# KiCad board panel.kicad_pcb (continued)
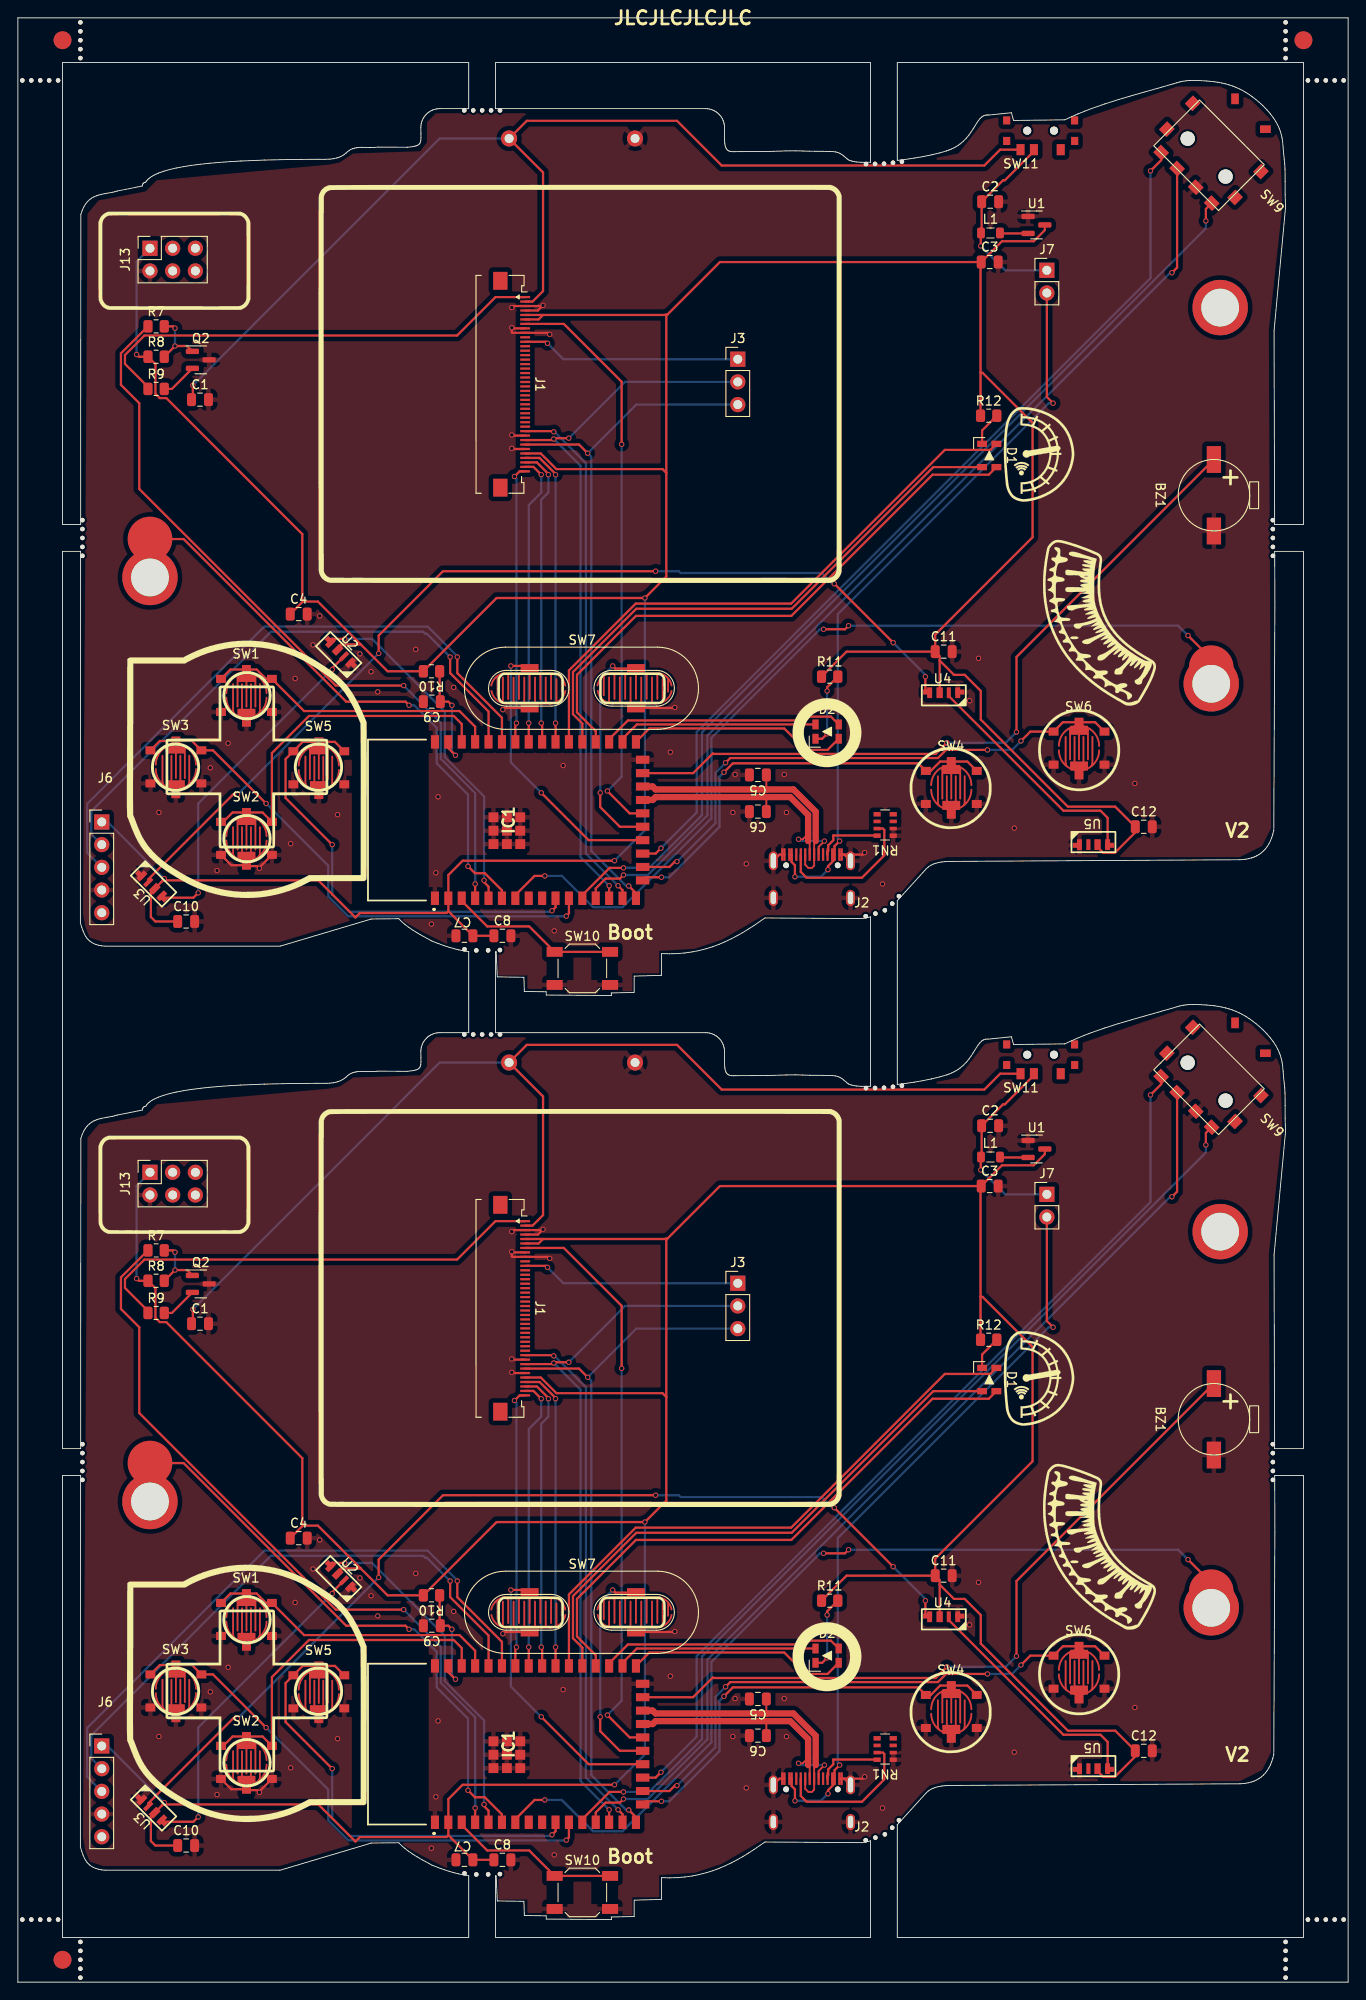
[diagram p0: board, top side]
## Nets
Board_0-+5V: J2.A4 J2.A9 J2.B4 J2.B9 J7.2
Board_0-/D+: C6.1 IC1#2.23 J2.A6 J2.B6
Board_0-/D-: C5.1 IC1#2.24 J2.A7 J2.B7
Board_0-/SK6812: IC1#2.5 U2.1
Board_0-A: BT1#2.1 C1#2.1 J1#2.2 SW11.1
Board_0-A_Btn: IC1#2.17 SW4#2.1
Board_0-B: IC1#2.18 SW6.1
Board_0-B1: D2#2.4 IC1#2.27
Board_0-B2: D1.4 IC1#2.31
Board_0-BL: IC1#2.4 R7#2.1
Board_0-Boot: IC1#2.3 SW10.1
Board_0-Buzzer: BZ1#2.1 IC1#2.25
Board_0-DE: J1#2.11 J3.1
Board_0-Disp_RESET: IC1#2.22 J1#2.7
Board_0-Down: IC1#2.40 SW2.1
Board_0-EnButton: IC1#2.13 SW9.S
Board_0-EnDown: IC1#2.12 SW9.B
Board_0-EnUp: IC1#2.19 SW9.A
Board_0-G1: D2#2.2 IC1#2.29
Board_0-G2: D1.2 IC1#2.30
Board_0-K: J1#2.1 R9#2.1
Board_0-Left: IC1#2.11 SW3#2.1
Board_0-Net-(D1-A): D1.3 R12#2.2
Board_0-Net-(D2-A): D2#2.3 R11.2
Board_0-Net-(IC1-IO3): IC1#2.6 J4#2.1
Board_0-Net-(IC1-IO4): IC1#2.7 J5#2.1
Board_0-Net-(J2-CC1): J2.A5 RN1.7
Board_0-Net-(J2-CC2): J2.B5 RN1.8
Board_0-Net-(Q2-B): Q2.1 R7#2.2 R8.2
Board_0-Net-(Q2-C): Q2.2 R9#2.2
Board_0-Net-(U1-LX): L1.2 U1#2.2
Board_0-Net-(U2-Dout): U2.3 U3#2.1
Board_0-Net-(U3-Dout): U3#2.3 U4.1
Board_0-Net-(U4-Dout): U4.3 U5.1
Board_0-PwrTest: C2#2.1 J7.1 L1.1 SW11.2
Board_0-R1: D2#2.1 IC1#2.28
Board_0-R2: D1.1 IC1#2.32
Board_0-Reset: C9.1 IC1#2.41 R10#2.1
Board_0-Right: IC1#2.10 SW5.1
Board_0-RS: IC1#2.16 J1#2.34 J3.3
Board_0-RX: IC1#2.38 J6#2.2
Board_0-SDA: IC1#2.15 J1#2.31
Board_0-Select: IC1#2.21 SW7#2.3
Board_0-Start: IC1#2.20 SW7#2.1
Board_0-TX: IC1#2.37 J6#2.3
Board_0-unconnected-(IC1-IO5-Pad8): IC1#2.8
Board_0-unconnected-(IC1-IO6-Pad9): IC1#2.9
Board_0-unconnected-(J1-Pin_10-Pad10): J1#2.10
Board_0-unconnected-(J1-Pin_12-Pad12): J1#2.12
Board_0-unconnected-(J1-Pin_13-Pad13): J1#2.13
Board_0-unconnected-(J1-Pin_14-Pad14): J1#2.14
Board_0-unconnected-(J1-Pin_15-Pad15): J1#2.15
Board_0-unconnected-(J1-Pin_16-Pad16): J1#2.16
Board_0-unconnected-(J1-Pin_17-Pad17): J1#2.17
Board_0-unconnected-(J1-Pin_18-Pad18): J1#2.18
Board_0-unconnected-(J1-Pin_19-Pad19): J1#2.19
Board_0-unconnected-(J1-Pin_20-Pad20): J1#2.20
Board_0-unconnected-(J1-Pin_21-Pad21): J1#2.21
Board_0-unconnected-(J1-Pin_22-Pad22): J1#2.22
Board_0-unconnected-(J1-Pin_23-Pad23): J1#2.23
Board_0-unconnected-(J1-Pin_24-Pad24): J1#2.24
Board_0-unconnected-(J1-Pin_25-Pad25): J1#2.25
Board_0-unconnected-(J1-Pin_26-Pad26): J1#2.26
Board_0-unconnected-(J1-Pin_27-Pad27): J1#2.27
Board_0-unconnected-(J1-Pin_28-Pad28): J1#2.28
Board_0-unconnected-(J1-Pin_29-Pad29): J1#2.29
Board_0-unconnected-(J1-Pin_30-Pad30): J1#2.30
Board_0-unconnected-(J2-SBU1-PadA8): J2.A8
Board_0-unconnected-(J2-SBU2-PadB8): J2.B8
Board_0-unconnected-(J6-Pin_5-Pad5): J6#2.5
Board_0-unconnected-(J9-Pin_1-Pad1): J9#2.1
Board_0-unconnected-(J10-Pin_1-Pad1): J10#2.1
Board_0-unconnected-(J11-Pin_1-Pad1): J11.1
Board_0-unconnected-(J13-Pin_3-Pad3): J13.3
Board_0-unconnected-(J13-Pin_4-Pad4): J13.4
Board_0-unconnected-(J13-Pin_5-Pad5): J13.5
Board_0-unconnected-(J13-Pin_6-Pad6): J13.6
Board_0-unconnected-(RN1-R3.1-Pad3): RN1.3
Board_0-unconnected-(RN1-R3.2-Pad6): RN1.6
Board_0-unconnected-(RN1-R4.1-Pad4): RN1.4
Board_0-unconnected-(RN1-R4.2-Pad5): RN1.5
Board_0-unconnected-(SW11-C-Pad3): SW11.3
Board_0-unconnected-(U5-Dout-Pad3): U5.3
Board_0-Up: IC1#2.39 SW1#2.1
Board_0-VCC: C3#2.1 C4.1 C7.1 C8#2.1 C10.1 C11#2.1 C12.1 IC1#2.2 J1#2.5 J1#2.6 J1#2.36 J6#2.1 J13.1 R8.1 R10#2.2 R11.1 R12#2.1 U1#2.3 U2.2 U3#2.2 U4.2 U5.2
Board_0-VSS: BT1#2.2 BZ1#2.2 C1#2.2 C2#2.2 C3#2.2 C4.2 C5.2 C6.2 C7.2 C8#2.2 C9.2 C10.2 C11#2.2 C12.2 IC1#2.1 IC1#2.26 IC1#2.42 IC1#2.43 IC1#2.44 IC1#2.45 IC1#2.46 IC1#2.47 IC1#2.48 IC1#2.49 IC1#2.50 IC1#2.51 J1#2.3 J1#2.4 J1#2.8 J1#2.9 J1#2.32 J1#2.35 J2.A1 J2.A12 J2.B1 J2.B12 J2.S1 J6#2.4 J13.2 Q2.3 RN1.1 RN1.2 SW1#2.2 SW2.2 SW3#2.2 SW4#2.2 SW5.2 SW6.2 SW7#2.2 SW9.C SW10.2 U1#2.1 U2.4 U3#2.4 U4.4 U5.4
Board_0-WR: IC1#2.14 J1#2.33 J3.2
Board_0-XL: IC1#2.35 J1#2.39
Board_0-XR: IC1#2.33 J1#2.37
Board_0-YD: IC1#2.34 J1#2.38
Board_0-YU: IC1#2.36 J1#2.40
Board_1-+5V: J2#2.A4 J2#2.A9 J2#2.B4 J2#2.B9 J7#2.2
Board_1-/D+: C6#2.1 IC1.23 J2#2.A6 J2#2.B6
Board_1-/D-: C5#2.1 IC1.24 J2#2.A7 J2#2.B7
Board_1-/SK6812: IC1.5 U2#2.1
Board_1-A: BT1.1 C1.1 J1.2 SW11#2.1
Board_1-A_Btn: IC1.17 SW4.1
Board_1-B: IC1.18 SW6#2.1
Board_1-B1: D2.4 IC1.27
Board_1-B2: D1#2.4 IC1.31
Board_1-BL: IC1.4 R7.1
Board_1-Boot: IC1.3 SW10#2.1
Board_1-Buzzer: BZ1.1 IC1.25
Board_1-DE: J1.11 J3#2.1
Board_1-Disp_RESET: IC1.22 J1.7
Board_1-Down: IC1.40 SW2#2.1
Board_1-EnButton: IC1.13 SW9#2.S
Board_1-EnDown: IC1.12 SW9#2.B
Board_1-EnUp: IC1.19 SW9#2.A
Board_1-G1: D2.2 IC1.29
Board_1-G2: D1#2.2 IC1.30
Board_1-K: J1.1 R9.1
Board_1-Left: IC1.11 SW3.1
Board_1-Net-(D1-A): D1#2.3 R12.2
Board_1-Net-(D2-A): D2.3 R11#2.2
Board_1-Net-(IC1-IO3): IC1.6 J4.1
Board_1-Net-(IC1-IO4): IC1.7 J5.1
Board_1-Net-(J2-CC1): J2#2.A5 RN1#2.7
Board_1-Net-(J2-CC2): J2#2.B5 RN1#2.8
Board_1-Net-(Q2-B): Q2#2.1 R7.2 R8#2.2
Board_1-Net-(Q2-C): Q2#2.2 R9.2
Board_1-Net-(U1-LX): L1#2.2 U1.2
Board_1-Net-(U2-Dout): U2#2.3 U3.1
Board_1-Net-(U3-Dout): U3.3 U4#2.1
Board_1-Net-(U4-Dout): U4#2.3 U5#2.1
Board_1-PwrTest: C2.1 J7#2.1 L1#2.1 SW11#2.2
Board_1-R1: D2.1 IC1.28
Board_1-R2: D1#2.1 IC1.32
Board_1-Reset: C9#2.1 IC1.41 R10.1
Board_1-Right: IC1.10 SW5#2.1
Board_1-RS: IC1.16 J1.34 J3#2.3
Board_1-RX: IC1.38 J6.2
Board_1-SDA: IC1.15 J1.31
Board_1-Select: IC1.21 SW7.3
Board_1-Start: IC1.20 SW7.1
Board_1-TX: IC1.37 J6.3
Board_1-unconnected-(IC1-IO5-Pad8): IC1.8
Board_1-unconnected-(IC1-IO6-Pad9): IC1.9
Board_1-unconnected-(J1-Pin_10-Pad10): J1.10
Board_1-unconnected-(J1-Pin_12-Pad12): J1.12
Board_1-unconnected-(J1-Pin_13-Pad13): J1.13
Board_1-unconnected-(J1-Pin_14-Pad14): J1.14
Board_1-unconnected-(J1-Pin_15-Pad15): J1.15
Board_1-unconnected-(J1-Pin_16-Pad16): J1.16
Board_1-unconnected-(J1-Pin_17-Pad17): J1.17
Board_1-unconnected-(J1-Pin_18-Pad18): J1.18
Board_1-unconnected-(J1-Pin_19-Pad19): J1.19
Board_1-unconnected-(J1-Pin_20-Pad20): J1.20
Board_1-unconnected-(J1-Pin_21-Pad21): J1.21
Board_1-unconnected-(J1-Pin_22-Pad22): J1.22
Board_1-unconnected-(J1-Pin_23-Pad23): J1.23
Board_1-unconnected-(J1-Pin_24-Pad24): J1.24
Board_1-unconnected-(J1-Pin_25-Pad25): J1.25
Board_1-unconnected-(J1-Pin_26-Pad26): J1.26
Board_1-unconnected-(J1-Pin_27-Pad27): J1.27
Board_1-unconnected-(J1-Pin_28-Pad28): J1.28
Board_1-unconnected-(J1-Pin_29-Pad29): J1.29
Board_1-unconnected-(J1-Pin_30-Pad30): J1.30
Board_1-unconnected-(J2-SBU1-PadA8): J2#2.A8
Board_1-unconnected-(J2-SBU2-PadB8): J2#2.B8
Board_1-unconnected-(J6-Pin_5-Pad5): J6.5
Board_1-unconnected-(J9-Pin_1-Pad1): J9.1
Board_1-unconnected-(J10-Pin_1-Pad1): J10.1
Board_1-unconnected-(J11-Pin_1-Pad1): J11#2.1
Board_1-unconnected-(J13-Pin_3-Pad3): J13#2.3
Board_1-unconnected-(J13-Pin_4-Pad4): J13#2.4
Board_1-unconnected-(J13-Pin_5-Pad5): J13#2.5
Board_1-unconnected-(J13-Pin_6-Pad6): J13#2.6
Board_1-unconnected-(RN1-R3.1-Pad3): RN1#2.3
Board_1-unconnected-(RN1-R3.2-Pad6): RN1#2.6
Board_1-unconnected-(RN1-R4.1-Pad4): RN1#2.4
Board_1-unconnected-(RN1-R4.2-Pad5): RN1#2.5
Board_1-unconnected-(SW11-C-Pad3): SW11#2.3
Board_1-unconnected-(U5-Dout-Pad3): U5#2.3
Board_1-Up: IC1.39 SW1.1
Board_1-VCC: C3.1 C4#2.1 C7#2.1 C8.1 C10#2.1 C11.1 C12#2.1 IC1.2 J1.5 J1.6 J1.36 J6.1 J13#2.1 R8#2.1 R10.2 R11#2.1 R12.1 U1.3 U2#2.2 U3.2 U4#2.2 U5#2.2
Board_1-VSS: BT1.2 BZ1.2 C1.2 C2.2 C3.2 C4#2.2 C5#2.2 C6#2.2 C7#2.2 C8.2 C9#2.2 C10#2.2 C11.2 C12#2.2 IC1.1 IC1.26 IC1.42 IC1.43 IC1.44 IC1.45 IC1.46 IC1.47 IC1.48 IC1.49 IC1.50 IC1.51 J1.3 J1.4 J1.8 J1.9 J1.32 J1.35 J2#2.A1 J2#2.A12 J2#2.B1 J2#2.B12 J2#2.S1 J6.4 J13#2.2 Q2#2.3 RN1#2.1 RN1#2.2 SW1.2 SW2#2.2 SW3.2 SW4.2 SW5#2.2 SW6#2.2 SW7.2 SW9#2.C SW10#2.2 U1.1 U2#2.4 U3.4 U4#2.4 U5#2.4
Board_1-WR: IC1.14 J1.33 J3#2.2
Board_1-XL: IC1.35 J1.39
Board_1-XR: IC1.33 J1.37
Board_1-YD: IC1.34 J1.38
Board_1-YU: IC1.36 J1.40

Pads without a net: SW11 4; SW11#2 4

## Via types
v1: diameter 0.6, hole 0.4, Top to Bottom, 236 vias

## Routing (per net, layer and track width the routed paths; a pad name or vN(x,y) marks a point on that pad's centre or on a via; arc(x,y) is an arc through that point)
Board_0-+5V: length 82.9
  Top w0.25: v1(90.69,124.5) 90.69,124.88 91.41,125.61 J2.A9 ; J2.A9 J2.B4 ; J2.A9 91.41,127.12 v1(91.99,127.7) ; J2.A4 J2.B9 86.61,125.36 86.99,124.98 v1(86.99,123.7) ; v1(115.89,176.7) 115.19,177.4 J7.2
  Bottom w0.25: v1(90.69,124.5) 89.89,123.7 v1(86.99,123.7) ; v1(91.99,127.7) 91.79,127.9 91.79,153.1 115.39,176.7 v1(115.89,176.7)
Board_0-/D+: length 31.7
  Top w0.2: v1(90.29,127.7) 89.64,127.05 J2.B6 ; J2.A6 88.64,127.52 88.46,127.7 ; C6.1 83.79,132.62 ; 88.46,128.5 87.86,127.9 v1(87.39,127.9)
  Top w0.7: 88.46,127.7 88.46,130.62 86.46,132.62 71.39,132.62 71.06,132.3 IC1#2.23
  Bottom w0.2: v1(87.39,127.9) 87.59,127.7 v1(90.29,127.7)
Board_0-/D-: length 30.7
  Top w0.2: C5.1 83.79,133.57 83.89,133.47 ; 89.32,127.7 89.14,127.52 J2.A7 89.14,124.95 88.89,124.7 88.49,124.7 88.14,125.05 J2.B7
  Top w0.7: 89.32,127.7 89.32,130.97 86.82,133.47 71.39,133.47 71.06,133.8 IC1#2.24
Board_0-/SK6812: length 39.3
  Top w0.25: v1(52.19,123.3) 52.19,123.1 52.69,122.6 IC1#2.5 ; U2.1 35.11,150.32 v1(36.59,150.32)
  Bottom w0.25: v1(36.59,150.32) 39.65,150.32 47.79,142.18 47.79,137.1 52.19,132.7 v1(52.19,123.3)
Board_0-A: length 131.1
  Top w0.25: v1(19.59,178.7) 19.59,177.25 C1#2.1 ; J1#2.2 57.61,188.07 58.79,189.25 58.79,202.52 BT1#2.1 56.96,208.3 73.79,208.3 78.79,203.3 108.19,203.3 109.96,205.07 SW11.1
  Bottom w0.25: v1(19.59,178.7) 47.21,206.32 55.61,206.32
Board_0-A_Btn: length 47.3
  Top w0.25: IC1#2.17 70.29,123.65 v1(72.04,123.65) ; v1(79.04,135.4) 80.04,136.4 100.79,136.4 SW4#2.1 102.19,135.55 103.24,136.6 SW4#2.1 106.29,136.6 SW4#2.1
  Bottom w0.25: v1(79.04,135.4) 78.54,134.9 78.54,129.27 72.91,123.65 v1(72.04,123.65)
Board_0-B: length 62.1
  Top w0.25: v1(79.22,136.46) 79.75,136.99 103,136.99 103.9,137.9 v1(108.54,137.9) ; IC1#2.18 72.94,124.8 73.54,125.4 73.78,125.4 v1(73.79,125.4) ; SW6.1 120.59,141 SW6.1 116.99,141 SW6.1 113.34,139.95 v1(112.29,138.9)
  Bottom w0.25: v1(108.54,137.9) 111.29,137.9 v1(112.29,138.9) ; v1(79.22,136.46) 78.09,135.33 78.09,129.7 73.79,125.4 v1(73.79,125.4)
Board_0-B1: length 24.8
  Top w0.25: D2#2.4 90.64,137.9 88.19,137.9 85.79,140.3 70.69,140.3 IC1#2.27
Board_0-B2: length 63.5
  Top w0.25: D1.4 102.48,169.55 86.63,153.7 69.23,153.7 62.14,146.61 62.14,141.9 63.19,140.85 IC1#2.31
Board_0-BL: length 86.1
  Top w0.25: v1(51.19,122.9) IC1#2.4 ; R7#2.1 14.55,185.3 11.54,182.28 11.54,178.75 13.59,176.7 13.59,167.1 35.59,145.1 v1(43.19,145.1)
  Bottom w0.25: v1(43.19,145.1) 47.34,140.95 47.34,136.91 51.19,133.06 v1(51.19,122.9)
Board_0-Boot: length 19.3
  Top w0.25: IC1#2.3 49.69,121 52.54,118.15 57.24,118.15 SW10.1 SW10.1
Board_0-Buzzer: length 83.5
  Top w0.25: v1(103.99,138.7) 102.74,137.45 77.84,137.45 77.79,137.5 75.59,135.3 IC1#2.25 ; v1(111.79,139.9) 111.79,148.3 BZ1#2.1
  Bottom w0.25: v1(111.79,139.9) 110.59,138.7 v1(103.99,138.7)
Board_0-DE: length 24.6
  Top w0.25: J1#2.11 59.11,183.57 v1(59.29,183.4)
  Bottom w0.25: J3.1 61.06,181.62 v1(59.29,183.4)
Board_0-Disp_RESET: length 64.9
  Top w0.25: J1#2.7 61.11,185.57 67.59,179.1 v1(67.59,172.1) ; IC1#2.22 68.49,130.8 v1(65.99,133.3)
  Bottom w0.25: v1(67.59,172.1) 67.59,134.9 v1(65.99,133.3)
Board_0-Down: length 39.6
  Top w0.25: SW2.1 22.99,129.85 24.04,130.9 SW2.1 27.39,130.9 SW2.1 28.44,137.55 32.59,141.7 48.79,141.7 49.69,140.8 IC1#2.40
Board_0-EnButton: length 111.3
  Top w0.25: v1(67.79,123.9) 67.39,123.5 65.79,123.5 64.69,122.4 IC1#2.13 ; SW9.S 129.77,191.87 v1(129.19,191.3)
  Bottom w0.25: v1(67.79,123.9) 70.51,123.9 77.19,130.58 77.19,139.5 128.99,191.3 v1(129.19,191.3)
Board_0-EnDown: length 109.6
  Top w0.25: IC1#2.12 63.19,121.65 66.24,124.7 v1(67.79,124.7) ; v1(132.99,197.1) 132.99,198.44 SW9.B
  Bottom w0.25: v1(67.79,124.7) 70.67,124.7 76.59,130.61 76.59,139.86 132.99,196.26 v1(132.99,197.1)
Board_0-EnUp: length 103.3
  Top w0.25: IC1#2.19 71.39,126.3 v1(71.99,126.9) ; SW9.A 127.98,203.89 v1(126.79,202.7)
  Bottom w0.25: v1(71.99,126.9) 75.99,130.9 75.99,139.9 126.79,190.7 v1(126.79,202.7)
Board_0-G1: length 27.4
  Top w0.25: D2#2.2 91.01,141.62 88.61,141.62 88.19,141.2 68.29,141.2 66.19,139.1 IC1#2.29
Board_0-G2: length 65
  Top w0.25: D1.2 108.69,168.7 102.39,168.7 86.59,152.9 69.19,152.9 62.59,146.3 62.59,142.1 64.69,140 IC1#2.30
Board_0-K: length 52.3
  Top w0.25: J1#2.1 53.46,188.57 49.16,184.27 14.16,184.27 11.99,182.1 11.99,181.1 14.56,178.52 R9#2.1
Board_0-Left: length 59.3
  Top w0.25: IC1#2.11 61.69,119.6 v1(61.39,119.3) ; v1(27.79,131.9) 21.84,137.85 SW3#2.1 19.49,138.9 SW3#2.1 15.89,138.9 SW3#2.1
  Bottom w0.25: v1(61.39,119.3) 61.36,119.27 37.61,119.27 37.59,119.3 36.95,119.3 34.74,121.51 34.74,124.95 v1(27.79,131.9)
Board_0-Net-(D1-A): length 3.8
  Top w0.25: R12#2.2 107.94,173.65 D1.3
Board_0-Net-(D2-A): length 8.4
  Top w0.25: v1(90.59,139.7) 90.04,139.15 D2#2.3 ; R11.2 90.59,144.9 v1(90.59,144.5)
  Bottom w0.25: v1(90.59,144.5) v1(90.59,139.7)
Board_0-Net-(IC1-IO3): length 63.6
  Top w0.25: J4#2.1 18.55,161.5 36.75,143.3 43.39,143.3 v1(43.79,142.9) ; IC1#2.6 54.19,122.18 52.27,124.1 51.17,124.1 v1(50.39,124.87)
  Bottom w0.25: v1(43.79,142.9) 44.37,142.9 46.89,140.37 46.89,136.4 50.39,132.9 v1(50.39,124.87)
Board_0-Net-(IC1-IO4): length 100.2
  Top w0.25: v1(90.19,151.4) 92.59,151.4 v1(92.99,151.8) ; v1(58.99,123.8) 57.84,123.8 55.69,121.65 IC1#2.7 ; v1(130.99,150.7) 132.96,148.72 133.59,148.72
  Bottom w0.25: v1(130.99,150.7) 129.89,151.8 v1(92.99,151.8) ; v1(58.99,123.8) 60.89,123.8 64.39,120.3 67.69,120.3 77.64,130.25 77.64,139.25 89.79,151.4 v1(90.19,151.4)
Board_0-Net-(J2-CC1): length 16.3
  Top w0.25: J2.A5 87.64,124.25 88.29,123.6 94.49,123.6 96.99,126.1 96.99,128.95 96.84,129.1 RN1.7
Board_0-Net-(J2-CC2): length 7.4
  Top w0.25: RN1.8 96.16,128.32 91.28,128.32 91.28,127.79 90.71,127.22 90.71,126.6 90.59,126.47 90.59,126.23 J2.B5
Board_0-Net-(Q2-B): length 7.2
  Top w0.25: R8.2 v1(17.59,183.1) 18.94,183.1 Q2.1 ; R7#2.2 17.39,185.3 v1(17.59,185.1)
  Bottom w0.25: v1(17.59,185.1) v1(17.59,183.1)
Board_0-Net-(Q2-C): length 4.1
  Top w0.25: Q2.2 17.24,178.3 R9#2.2
Board_0-Net-(U1-LX): length 3.2
  Top w0.25: U1#2.2 109.99,195.7 L1.2
Board_0-Net-(U2-Dout): length 37.4
  Top w0.25: v1(20.19,121.9) 19.65,121.36 U3#2.1 ; U2.3 35.19,147.05 v1(35.19,146.9)
  Bottom w0.25: v1(20.19,121.9) 20.19,131.9 v1(35.19,146.9)
Board_0-Net-(U3-Dout): length 109.6
  Top w0.25: v1(40.39,148.7) 40.39,150.7 47.59,157.9 v1(71.39,157.9) ; U4.1 101.59,144.62 v1(101.59,146.1) ; U3#2.3 14.59,123.41 24.08,132.9 v1(24.59,132.9) ; v1(91.39,156.5) v1(97.99,149.9)
  Bottom w0.25: v1(71.39,157.9) 73.99,157.9 74.19,157.7 89.99,157.7 91.19,156.5 v1(91.39,156.5) ; v1(101.59,146.1) 101.59,146.3 v1(97.99,149.9) ; v1(40.39,148.7) v1(24.59,132.9)
Board_0-Net-(U4-Dout): length 26.8
  Top w0.25: U4.3 104.21,143.92 117.04,131.1 121.19,131.1 121.99,130.3 U5.1
Board_0-PwrTest: length 21.9
  Top w0.25: SW11.2 113.74,204.9 110.49,201.65 110.29,201.65 C2#2.1 107.89,195.82 L1.1 107.79,195.72 v1(107.79,194.3)
  Bottom w0.25: v1(107.79,194.3) 110.51,191.57 J7.1
Board_0-R1: length 22.6
  Top w0.25: D2#2.1 69.29,140.75 67.69,139.15 IC1#2.28
Board_0-R2: length 66.4
  Top w0.25: D1.1 108.86,171.47 103.76,171.47 86.56,154.27 69.16,154.27 61.69,146.8 IC1#2.32
Board_0-Reset: length 12.5
  Top w0.25: v1(48.99,137.3) 48.19,138.1 IC1#2.41 ; v1(48.59,142.9) 48.19,143.3 C9.1 47.21,143.37 R10#2.1
  Bottom w0.25: v1(48.99,137.3) 48.59,137.7 v1(48.59,142.9)
Board_0-Right: length 52.2
  Top w0.25: IC1#2.10 60.19,120.3 v1(59.79,119.9) ; SW5.1 35.49,138.8 SW5.1 31.89,138.8 SW5.1 29.96,136.87 29.96,132.52 v1(35.19,127.3)
  Bottom w0.25: v1(35.19,127.3) 35.19,121.7 37.11,119.77 59.66,119.77 v1(59.79,119.9)
Board_0-RS: length 78.7
  Top w0.25: J1#2.34 62.81,172.07 v1(63.79,171.1) ; IC1#2.16 69.19,121.87 v1(68.39,122.67)
  Bottom w0.25: J3.3 69.23,176.54 v1(63.79,171.1) 64.19,170.7 64.19,126.58 68.1,122.67 v1(68.39,122.67)
Board_0-RX: length 65.2
  Top w0.25: IC1#2.38 52.69,142.2 48.39,146.5 v1(48.39,148.3)
  Bottom w0.25: J6#2.2 8.21,128.47 8.21,131.01 28.32,151.12 45.36,151.12 45.59,150.9 45.79,150.9 v1(48.39,148.3)
Board_0-SDA: length 58.7
  Top w0.25: IC1#2.15 67.69,122.2 v1(67.19,122.7) ; v1(59.99,173.5) 59.91,173.57 J1#2.31
  Bottom w0.25: v1(67.19,122.7) 63.59,126.3 63.59,169.98 60.07,173.5 v1(59.99,173.5)
Board_0-Select: length 24.8
  Top w0.25: SW7#2.3 66.89,147 v1(66.59,147.3) ; IC1#2.21 67.39,129.3 65.19,131.5 v1(65.19,133.1)
  Bottom w0.25: v1(66.59,147.3) 65.19,145.9 v1(65.19,133.1)
Board_0-Start: length 31.4
  Top w0.25: IC1#2.20 63.89,127.8 v1(58.59,133.1) ; v1(55.19,147.3) 56.99,147.3 SW7#2.1
  Bottom w0.25: v1(55.19,147.3) 55.19,136.5 v1(58.59,133.1)
Board_0-TX: length 70.5
  Top w0.25: IC1#2.37 54.19,141.5 49.19,146.5 v1(49.19,148.3)
  Bottom w0.25: v1(49.19,148.3) 49.19,148.38 45.87,151.7 27.59,151.7 7.76,131.87 7.76,126.38 J6#2.3
Board_0-Up: length 33.2
  Top w0.25: IC1#2.39 51.19,140.5 49.44,142.25 32.04,142.25 SW1#2.1 27.78,145.85 26.73,146.9 SW1#2.1 23.79,146.9 SW1#2.1
Board_0-VCC: length 437.3
  Top w0.25: R12#2.1 107.76,180.1 ; 107.76,180.1 107.76,192.42 C3#2.1 ; 107.76,180.1 107.99,180.1 113.59,174.5 113.59,161.7 102.69,150.8 C11#2.1 ; 103.19,147.9 103.19,148.4 C11#2.1 ; 103.19,147.9 U4.2 ; 103.19,147.9 104.79,146.3 105.99,146.3 107.79,144.5 107.79,141.3 117.54,131.55 122.84,131.55 C12.1 125.09,128.67 122.79,126.37 121.51,126.37 120.86,127.02 U5.2 ; C11#2.1 92.76,148.9 R11.1 ; C10.1 15.39,118.7 14.89,119.2 14.89,121.94 U3#2.2 16.12,123.17 ; v1(16.39,123.5) 16.39,123.44 16.12,123.17 ; 72.59,168.9 72.59,186.5 72.76,186.67 ; 72.59,168.9 72.59,157.3 v1(70.19,154.9) 53.59,154.9 R10#2.2 41.39,146.7 38.39,149.7 ; 72.59,168.9 72.16,169.32 60.28,169.32 58.53,171.07 J1#2.36 ; 16.12,123.17 16.24,123.3 33.64,123.3 37.79,119.15 38.29,119.65 47.99,119.65 48.19,119.85 ; 48.19,119.85 IC1#2.2 48.19,123.9 49.79,125.5 v1(66.79,125.5) ; 48.19,119.85 C7.1 C8#2.1 ; 31.84,154.45 31.84,162.05 16.61,177.27 15.89,177.27 15.4,177.76 15.4,181.06 R8.1 13.54,181.9 v1(13.29,182.15) ; 31.84,154.45 C4.1 ; 31.84,154.45 31.89,154.5 33.59,154.5 38.39,149.7 ; J1#2.5 58.79,186.57 ; 58.79,186.57 58.29,186.07 J1#2.6 ; 58.79,186.57 72.46,186.57 72.54,186.65 ; 72.74,186.65 72.76,186.67 ; 72.76,186.67 78.59,192.5 C3#2.1 ; C3#2.1 110.16,194.82 113.71,194.82 114.96,196.07 U1#2.3 ; 38.39,149.7 36.19,149.7 36.19,149.5 U2.2
  Bottom w0.25: v1(16.39,123.5) 10.05,129.84 J6#2.1 ; v1(66.79,125.5) 70.19,128.9 v1(70.19,154.9) ; v1(13.29,182.15) 13.29,192.54 J13.1
Board_0-VSS: length 35.5
  Top w0.25: SW2.2 23.89,125 SW2.2 25.69,125 25.79,124.9 26.79,124.9 v1(27.04,124.65) 27.04,124.75 SW2.2 ; J2.S1 85.27,126.18 J2.B12 ; J1#2.8 55.36,185.07 v1(55.29,185.15) 55.29,184.65 55.36,184.57 J1#2.9 59.36,184.57 v1(59.54,184.4) ; v1(55.29,171.65) 55.36,171.57 J1#2.35 ; v1(94.79,126.4) 94.58,126.18 J2.A12 ; J1#2.4 58.21,187.07 v1(58.79,187.65) 58.71,187.57 J1#2.3 55.46,187.57 v1(55.29,187.4) ; v1(55.29,173.15) 55.36,173.07 J1#2.32 ; v1(54.29,142.4) 54.49,142.6 SW7#2.2 ; v1(73.54,142.65) 73.49,142.6 SW7#2.2 ; J2.B1 92.51,126.18 J2.S1
  vias: v1(15.79,130.9) v1(21.54,135.9) v1(22.29,124.4) v1(23.54,138.65) v1(30.54,127.4) v1(31.04,145.9) v1(33.04,149.65) v1(33.79,152.9) v1(35.79,130.65) v1(38.29,148.65) v1(39.54,146.65) v1(40.29,144.4) v1(44.54,149.15) v1(46.29,118.4) v1(46.79,124.15) v1(47.04,132.65) v1(48.79,144.9) v1(60.04,117.65) v1(61.04,136.15) v1(73.04,137.65) v1(80.04,130.9) v1(80.29,135.15) v1(81.54,125.15) v1(85.79,135.15) v1(86.04,130.9) v1(96.79,122.9) v1(106.54,143.4) v1(107.54,148.15) v1(111.54,129.15) v1(125.04,134.15)
Board_0-WR: length 80.5
  Top w0.25: J1#2.33 59.86,172.57 v1(59.99,172.7) 60.07,172.78 v1(61.67,172.78) ; IC1#2.14 v1(66.19,122.7)
  Bottom w0.25: v1(59.99,172.7) 62.99,169.7 62.99,125.9 v1(66.19,122.7) ; v1(61.67,172.78) 67.97,179.08 J3.2
Board_0-XL: length 32.6
  Top w0.25: IC1#2.35 v1(57.19,140.9) ; v1(58.59,168.7) 57.71,169.57 J1#2.39
  Bottom w0.25: v1(58.59,168.7) 58.59,166.7 57.19,165.3 v1(57.19,140.9)
Board_0-XR: length 34.1
  Top w0.25: v1(60.19,168.7) 60.19,168.78 58.4,170.57 J1#2.37 ; IC1#2.33 v1(60.19,140.9)
  Bottom w0.25: v1(60.19,140.9) v1(60.19,168.7)
Board_0-YD: length 33.5
  Top w0.25: v1(59.39,168.7) 59.39,168.78 58.1,170.07 J1#2.38 ; IC1#2.34 58.69,140.8 v1(58.59,140.9)
  Bottom w0.25: v1(58.59,140.9) 58.59,165.9 59.39,166.7 v1(59.39,168.7)
Board_0-YU: length 31.3
  Top w0.25: IC1#2.36 55.69,140.77 v1(55.81,140.9) ; J1#2.40 56.16,169.07 v1(55.59,168.5)
  Bottom w0.25: v1(55.81,140.9) 55.81,168.27 v1(55.59,168.5)
Board_1-+5V: length 82.9
  Top w0.25: J2#2.A9 91.41,22.2 90.69,21.47 v1(90.69,21.09) ; J2#2.A9 91.41,23.71 v1(91.99,24.29) ; J2#2.A9 J2#2.B4 ; J7#2.2 115.19,73.99 v1(115.89,73.29) ; v1(86.99,20.29) 86.99,21.57 86.61,21.95 J2#2.B9 J2#2.A4
  Bottom w0.25: v1(86.99,20.29) 89.89,20.29 v1(90.69,21.09) ; v1(91.99,24.29) 91.79,24.49 91.79,49.69 115.39,73.29 v1(115.89,73.29)
Board_1-/D+: length 31.7
  Top w0.2: J2#2.A6 88.64,24.11 88.46,24.29 ; C6#2.1 83.79,29.21 ; 88.46,25.09 87.86,24.49 v1(87.39,24.49) ; J2#2.B6 89.64,23.64 v1(90.29,24.29)
  Top w0.7: 88.46,24.29 88.46,27.21 86.46,29.21 71.39,29.21 71.06,28.89 IC1.23
  Bottom w0.2: v1(87.39,24.49) 87.59,24.29 v1(90.29,24.29)
Board_1-/D-: length 30.7
  Top w0.2: 89.32,24.29 89.14,24.11 J2#2.A7 89.14,21.54 88.89,21.29 88.49,21.29 88.14,21.64 J2#2.B7 ; C5#2.1 83.79,30.16 83.89,30.06
  Top w0.7: IC1.24 71.06,30.39 71.39,30.06 86.82,30.06 89.32,27.56 89.32,24.29
Board_1-/SK6812: length 39.3
  Top w0.25: U2#2.1 35.11,46.91 v1(36.59,46.91) ; v1(52.19,19.89) 52.19,19.69 52.69,19.19 IC1.5
  Bottom w0.25: v1(36.59,46.91) 39.65,46.91 47.79,38.77 47.79,33.69 52.19,29.29 v1(52.19,19.89)
Board_1-A: length 131.1
  Top w0.25: SW11#2.1 109.96,101.66 108.19,99.89 78.79,99.89 73.79,104.89 56.96,104.89 BT1.1 58.79,99.11 58.79,85.84 57.61,84.66 J1.2 ; v1(19.59,75.29) 19.59,73.84 C1.1
  Bottom w0.25: v1(19.59,75.29) 47.21,102.91 55.61,102.91
Board_1-A_Btn: length 47.3
  Top w0.25: v1(72.04,20.24) 70.29,20.24 IC1.17 ; SW4.1 106.29,33.19 SW4.1 103.24,33.19 102.19,32.14 SW4.1 100.79,32.99 80.04,32.99 v1(79.04,31.99)
  Bottom w0.25: v1(72.04,20.24) 72.91,20.24 78.54,25.86 78.54,31.49 v1(79.04,31.99)
Board_1-B: length 62.1
  Top w0.25: v1(112.29,35.49) 113.34,36.54 SW6#2.1 116.99,37.59 SW6#2.1 120.59,37.59 SW6#2.1 ; IC1.18 72.94,21.39 73.54,21.99 73.78,21.99 v1(73.79,21.99) ; v1(79.22,33.05) 79.75,33.58 103,33.58 103.9,34.49 v1(108.54,34.49)
  Bottom w0.25: v1(79.22,33.05) 78.09,31.92 78.09,26.29 73.79,21.99 v1(73.79,21.99) ; v1(112.29,35.49) 111.29,34.49 v1(108.54,34.49)
Board_1-B1: length 24.8
  Top w0.25: IC1.27 70.69,36.89 85.79,36.89 88.19,34.49 90.64,34.49 D2.4
Board_1-B2: length 63.5
  Top w0.25: D1#2.4 102.48,66.14 86.63,50.29 69.23,50.29 62.14,43.2 62.14,38.49 63.19,37.44 IC1.31
Board_1-BL: length 86.1
  Top w0.25: R7.1 14.55,81.89 11.54,78.87 11.54,75.34 13.59,73.29 13.59,63.69 35.59,41.69 v1(43.19,41.69) ; v1(51.19,19.49) IC1.4
  Bottom w0.25: v1(43.19,41.69) 47.34,37.54 47.34,33.5 51.19,29.65 v1(51.19,19.49)
Board_1-Boot: length 19.3
  Top w0.25: SW10#2.1 SW10#2.1 57.24,14.74 52.54,14.74 49.69,17.59 IC1.3
Board_1-Buzzer: length 83.5
  Top w0.25: BZ1.1 111.79,44.89 v1(111.79,36.49) ; v1(103.99,35.29) 102.74,34.04 77.84,34.04 77.79,34.09 75.59,31.89 IC1.25
  Bottom w0.25: v1(111.79,36.49) 110.59,35.29 v1(103.99,35.29)
Board_1-DE: length 24.6
  Top w0.25: v1(59.29,79.99) 59.11,80.16 J1.11
  Bottom w0.25: J3#2.1 61.06,78.21 v1(59.29,79.99)
Board_1-Disp_RESET: length 64.9
  Top w0.25: IC1.22 68.49,27.39 v1(65.99,29.89) ; J1.7 61.11,82.16 67.59,75.69 v1(67.59,68.69)
  Bottom w0.25: v1(65.99,29.89) 67.59,31.49 v1(67.59,68.69)
Board_1-Down: length 39.6
  Top w0.25: IC1.40 49.69,37.39 48.79,38.29 32.59,38.29 28.44,34.14 SW2#2.1 27.39,27.49 SW2#2.1 24.04,27.49 22.99,26.44 SW2#2.1
Board_1-EnButton: length 111.3
  Top w0.25: v1(129.19,87.89) 129.77,88.46 SW9#2.S ; v1(67.79,20.49) 67.39,20.09 65.79,20.09 64.69,18.99 IC1.13
  Bottom w0.25: v1(129.19,87.89) 128.99,87.89 77.19,36.09 77.19,27.17 70.51,20.49 v1(67.79,20.49)
Board_1-EnDown: length 109.6
  Top w0.25: v1(67.79,21.29) 66.24,21.29 63.19,18.24 IC1.12 ; v1(132.99,93.69) 132.99,95.03 SW9#2.B
  Bottom w0.25: v1(67.79,21.29) 70.67,21.29 76.59,27.2 76.59,36.45 132.99,92.85 v1(132.99,93.69)
Board_1-EnUp: length 103.3
  Top w0.25: v1(71.99,23.49) 71.39,22.89 IC1.19 ; v1(126.79,99.29) 127.98,100.48 SW9#2.A
  Bottom w0.25: v1(71.99,23.49) 75.99,27.49 75.99,36.49 126.79,87.29 v1(126.79,99.29)
Board_1-G1: length 27.4
  Top w0.25: IC1.29 66.19,35.69 68.29,37.79 88.19,37.79 88.61,38.21 91.01,38.21 D2.2
Board_1-G2: length 65
  Top w0.25: D1#2.2 108.69,65.29 102.39,65.29 86.59,49.49 69.19,49.49 62.59,42.89 62.59,38.69 64.69,36.59 IC1.30
Board_1-K: length 52.3
  Top w0.25: R9.1 14.56,75.11 11.99,77.69 11.99,78.69 14.16,80.86 49.16,80.86 53.46,85.16 J1.1
Board_1-Left: length 59.3
  Top w0.25: v1(61.39,15.89) 61.69,16.19 IC1.11 ; v1(27.79,28.49) 21.84,34.44 SW3.1 19.49,35.49 SW3.1 15.89,35.49 SW3.1
  Bottom w0.25: v1(27.79,28.49) 34.74,21.54 34.74,18.1 36.95,15.89 37.59,15.89 37.61,15.86 61.36,15.86 v1(61.39,15.89)
Board_1-Net-(D1-A): length 3.8
  Top w0.25: D1#2.3 107.94,70.24 R12.2
Board_1-Net-(D2-A): length 8.4
  Top w0.25: v1(90.59,41.09) 90.59,41.49 R11#2.2 ; v1(90.59,36.29) 90.04,35.74 D2.3
  Bottom w0.25: v1(90.59,41.09) v1(90.59,36.29)
Board_1-Net-(IC1-IO3): length 63.6
  Top w0.25: J4.1 18.55,58.09 36.75,39.89 43.39,39.89 v1(43.79,39.49) ; v1(50.39,21.46) 51.17,20.69 52.27,20.69 54.19,18.77 IC1.6
  Bottom w0.25: v1(50.39,21.46) 50.39,29.49 46.89,32.99 46.89,36.96 44.37,39.49 v1(43.79,39.49)
Board_1-Net-(IC1-IO4): length 100.2
  Top w0.25: 133.59,45.31 132.96,45.31 v1(130.99,47.29) ; v1(58.99,20.39) 57.84,20.39 55.69,18.24 IC1.7 ; v1(92.99,48.39) 92.59,47.99 v1(90.19,47.99)
  Bottom w0.25: v1(58.99,20.39) 60.89,20.39 64.39,16.89 67.69,16.89 77.64,26.84 77.64,35.84 89.79,47.99 v1(90.19,47.99) ; v1(130.99,47.29) 129.89,48.39 v1(92.99,48.39)
Board_1-Net-(J2-CC1): length 16.3
  Top w0.25: J2#2.A5 87.64,20.84 88.29,20.19 94.49,20.19 96.99,22.69 96.99,25.54 96.84,25.69 RN1#2.7
Board_1-Net-(J2-CC2): length 7.4
  Top w0.25: RN1#2.8 96.16,24.91 91.28,24.91 91.28,24.38 90.71,23.81 90.71,23.19 90.59,23.06 90.59,22.82 J2#2.B5
Board_1-Net-(Q2-B): length 7.2
  Top w0.25: R7.2 17.39,81.89 v1(17.59,81.69) ; Q2#2.1 18.94,79.69 v1(17.59,79.69) R8#2.2
  Bottom w0.25: v1(17.59,81.69) v1(17.59,79.69)
Board_1-Net-(Q2-C): length 4.1
  Top w0.25: R9.2 17.24,74.89 Q2#2.2
Board_1-Net-(U1-LX): length 3.2
  Top w0.25: L1#2.2 109.99,92.29 U1.2
Board_1-Net-(U2-Dout): length 37.4
  Top w0.25: U3.1 19.65,17.95 v1(20.19,18.49) ; v1(35.19,43.49) 35.19,43.64 U2#2.3
  Bottom w0.25: v1(35.19,43.49) 20.19,28.49 v1(20.19,18.49)
Board_1-Net-(U3-Dout): length 109.6
  Top w0.25: U3.3 14.59,20 24.08,29.49 v1(24.59,29.49) ; v1(91.39,53.09) v1(97.99,46.49) ; v1(101.59,42.69) 101.59,41.21 U4#2.1 ; v1(71.39,54.49) 47.59,54.49 40.39,47.29 v1(40.39,45.29)
  Bottom w0.25: v1(101.59,42.69) 101.59,42.89 v1(97.99,46.49) ; v1(71.39,54.49) 73.99,54.49 74.19,54.29 89.99,54.29 91.19,53.09 v1(91.39,53.09) ; v1(40.39,45.29) v1(24.59,29.49)
Board_1-Net-(U4-Dout): length 26.8
  Top w0.25: U4#2.3 104.21,40.51 117.04,27.69 121.19,27.69 121.99,26.89 U5#2.1
Board_1-PwrTest: length 21.9
  Top w0.25: SW11#2.2 113.74,101.49 110.49,98.24 110.29,98.24 C2.1 107.89,92.41 L1#2.1 107.79,92.31 v1(107.79,90.89)
  Bottom w0.25: v1(107.79,90.89) 110.51,88.16 J7#2.1
Board_1-R1: length 22.6
  Top w0.25: D2.1 69.29,37.34 67.69,35.74 IC1.28
Board_1-R2: length 66.4
  Top w0.25: D1#2.1 108.86,68.06 103.76,68.06 86.56,50.86 69.16,50.86 61.69,43.39 IC1.32
Board_1-Reset: length 12.5
  Top w0.25: R10.1 47.21,39.96 C9#2.1 48.19,39.89 v1(48.59,39.49) ; v1(48.99,33.89) 48.19,34.69 IC1.41
  Bottom w0.25: v1(48.59,39.49) 48.59,34.29 v1(48.99,33.89)
Board_1-Right: length 52.2
  Top w0.25: IC1.10 60.19,16.89 v1(59.79,16.49) ; SW5#2.1 35.49,35.39 SW5#2.1 31.89,35.39 SW5#2.1 29.96,33.46 29.96,29.11 v1(35.19,23.89)
  Bottom w0.25: v1(59.79,16.49) 59.66,16.36 37.11,16.36 35.19,18.29 v1(35.19,23.89)
Board_1-RS: length 78.7
  Top w0.25: IC1.16 69.19,18.46 v1(68.39,19.26) ; v1(63.79,67.69) 62.81,68.66 J1.34
  Bottom w0.25: v1(68.39,19.26) 68.1,19.26 64.19,23.17 64.19,67.29 v1(63.79,67.69) 69.23,73.13 J3#2.3
Board_1-RX: length 65.2
  Top w0.25: IC1.38 52.69,38.79 48.39,43.09 v1(48.39,44.89)
  Bottom w0.25: v1(48.39,44.89) 45.79,47.49 45.59,47.49 45.36,47.71 28.32,47.71 8.21,27.6 8.21,25.06 J6.2
Board_1-SDA: length 58.7
  Top w0.25: v1(59.99,70.09) 59.91,70.16 J1.31 ; v1(67.19,19.29) 67.69,18.79 IC1.15
  Bottom w0.25: v1(67.19,19.29) 63.59,22.89 63.59,66.57 60.07,70.09 v1(59.99,70.09)
Board_1-Select: length 24.8
  Top w0.25: v1(65.19,29.69) 65.19,28.09 67.39,25.89 IC1.21 ; v1(66.59,43.89) 66.89,43.59 SW7.3
  Bottom w0.25: v1(66.59,43.89) 65.19,42.49 v1(65.19,29.69)
Board_1-Start: length 31.4
  Top w0.25: IC1.20 63.89,24.39 v1(58.59,29.69) ; SW7.1 56.99,43.89 v1(55.19,43.89)
  Bottom w0.25: v1(58.59,29.69) 55.19,33.09 v1(55.19,43.89)
Board_1-TX: length 70.5
  Top w0.25: IC1.37 54.19,38.09 49.19,43.09 v1(49.19,44.89)
  Bottom w0.25: v1(49.19,44.89) 49.19,44.97 45.87,48.29 27.59,48.29 7.76,28.46 7.76,22.97 J6.3
Board_1-Up: length 33.2
  Top w0.25: IC1.39 51.19,37.09 49.44,38.84 32.04,38.84 SW1.1 27.78,42.44 26.73,43.49 SW1.1 23.79,43.49 SW1.1
Board_1-VCC: length 437.3
  Top w0.25: 72.54,83.24 72.46,83.16 58.79,83.16 ; C3.1 110.16,91.41 113.71,91.41 114.96,92.66 U1.3 ; C3.1 107.76,89.01 107.76,76.69 ; C3.1 78.59,89.09 72.76,83.26 ; U5#2.2 120.86,23.61 121.51,22.96 122.79,22.96 125.09,25.26 C12#2.1 122.84,28.14 117.54,28.14 107.79,37.89 107.79,41.09 105.99,42.89 104.79,42.89 103.19,44.49 ; 31.84,51.04 31.84,58.64 16.61,73.86 15.89,73.86 15.4,74.35 15.4,77.65 R8#2.1 13.54,78.49 v1(13.29,78.74) ; 31.84,51.04 C4#2.1 ; 31.84,51.04 31.89,51.09 33.59,51.09 38.39,46.29 ; U2#2.2 36.19,46.09 36.19,46.29 38.39,46.29 ; 72.76,83.26 72.59,83.09 72.59,65.49 ; 72.76,83.26 72.74,83.24 ; 16.12,19.76 16.39,20.03 v1(16.39,20.09) ; 16.12,19.76 U3.2 14.89,18.53 14.89,15.79 15.39,15.29 C10#2.1 ; 16.12,19.76 16.24,19.89 33.64,19.89 37.79,15.74 38.29,16.24 47.99,16.24 48.19,16.44 ; C11.1 102.69,47.39 113.59,58.29 113.59,71.09 107.99,76.69 107.76,76.69 ; C11.1 92.76,45.49 R11#2.1 ; C11.1 103.19,44.99 103.19,44.49 ; 58.79,83.16 J1.5 ; 58.79,83.16 58.29,82.66 J1.6 ; 103.19,44.49 U4#2.2 ; 38.39,46.29 41.39,43.29 R10.2 53.59,51.49 v1(70.19,51.49) 72.59,53.89 72.59,65.49 ; J1.36 58.53,67.66 60.28,65.91 72.16,65.91 72.59,65.49 ; 107.76,76.69 R12.1 ; v1(66.79,22.09) 49.79,22.09 48.19,20.49 IC1.2 48.19,16.44 ; C8.1 C7#2.1 48.19,16.44
  Bottom w0.25: J13#2.1 13.29,89.13 v1(13.29,78.74) ; J6.1 10.05,26.43 v1(16.39,20.09) ; v1(66.79,22.09) 70.19,25.49 v1(70.19,51.49)
Board_1-VSS: length 35.5
  Top w0.25: SW2#2.2 23.89,21.59 SW2#2.2 25.69,21.59 25.79,21.49 26.79,21.49 v1(27.04,21.24) 27.04,21.34 SW2#2.2 ; v1(73.54,39.24) 73.49,39.19 SW7.2 ; SW7.2 54.49,39.19 v1(54.29,38.99) ; v1(94.79,22.99) 94.58,22.77 J2#2.A12 ; J1.35 55.36,68.16 v1(55.29,68.24) ; J1.4 58.21,83.66 v1(58.79,84.24) 58.71,84.16 J1.3 55.46,84.16 v1(55.29,83.99) ; J1.8 55.36,81.66 v1(55.29,81.74) 55.29,81.24 55.36,81.16 J1.9 59.36,81.16 v1(59.54,80.99) ; J2#2.S1 92.51,22.77 J2#2.B1 ; J1.32 55.36,69.66 v1(55.29,69.74) ; J2#2.B12 85.27,22.77 J2#2.S1
  vias: v1(15.79,27.49) v1(21.54,32.49) v1(22.29,20.99) v1(23.54,35.24) v1(30.54,23.99) v1(31.04,42.49) v1(33.04,46.24) v1(33.79,49.49) v1(35.79,27.24) v1(38.29,45.24) v1(39.54,43.24) v1(40.29,40.99) v1(44.54,45.74) v1(46.29,14.99) v1(46.79,20.74) v1(47.04,29.24) v1(48.79,41.49) v1(60.04,14.24) v1(61.04,32.74) v1(73.04,34.24) v1(80.04,27.49) v1(80.29,31.74) v1(81.54,21.74) v1(85.79,31.74) v1(86.04,27.49) v1(96.79,19.49) v1(106.54,39.99) v1(107.54,44.74) v1(111.54,25.74) v1(125.04,30.74)
Board_1-WR: length 80.5
  Top w0.25: J1.33 59.86,69.16 v1(59.99,69.29) 60.07,69.37 v1(61.67,69.37) ; IC1.14 v1(66.19,19.29)
  Bottom w0.25: J3#2.2 67.97,75.67 v1(61.67,69.37) ; v1(59.99,69.29) 62.99,66.29 62.99,22.49 v1(66.19,19.29)
Board_1-XL: length 32.6
  Top w0.25: v1(58.59,65.29) 57.71,66.16 J1.39 ; IC1.35 v1(57.19,37.49)
  Bottom w0.25: v1(58.59,65.29) 58.59,63.29 57.19,61.89 v1(57.19,37.49)
Board_1-XR: length 34.1
  Top w0.25: J1.37 58.4,67.16 60.19,65.37 v1(60.19,65.29) ; IC1.33 v1(60.19,37.49)
  Bottom w0.25: v1(60.19,37.49) v1(60.19,65.29)
Board_1-YD: length 33.5
  Top w0.25: v1(59.39,65.29) 59.39,65.37 58.1,66.66 J1.38 ; IC1.34 58.69,37.39 v1(58.59,37.49)
  Bottom w0.25: v1(58.59,37.49) 58.59,62.49 59.39,63.29 v1(59.39,65.29)
Board_1-YU: length 31.3
  Top w0.25: v1(55.59,65.09) 56.16,65.66 J1.40 ; v1(55.81,37.49) 55.69,37.36 IC1.36
  Bottom w0.25: v1(55.81,37.49) 55.81,64.86 v1(55.59,65.09)

## Copper pours and planes (outline as drawn; the poured copper is in the pictures)
